# KiCad board hackrf-one.kicad_pcb (continued)
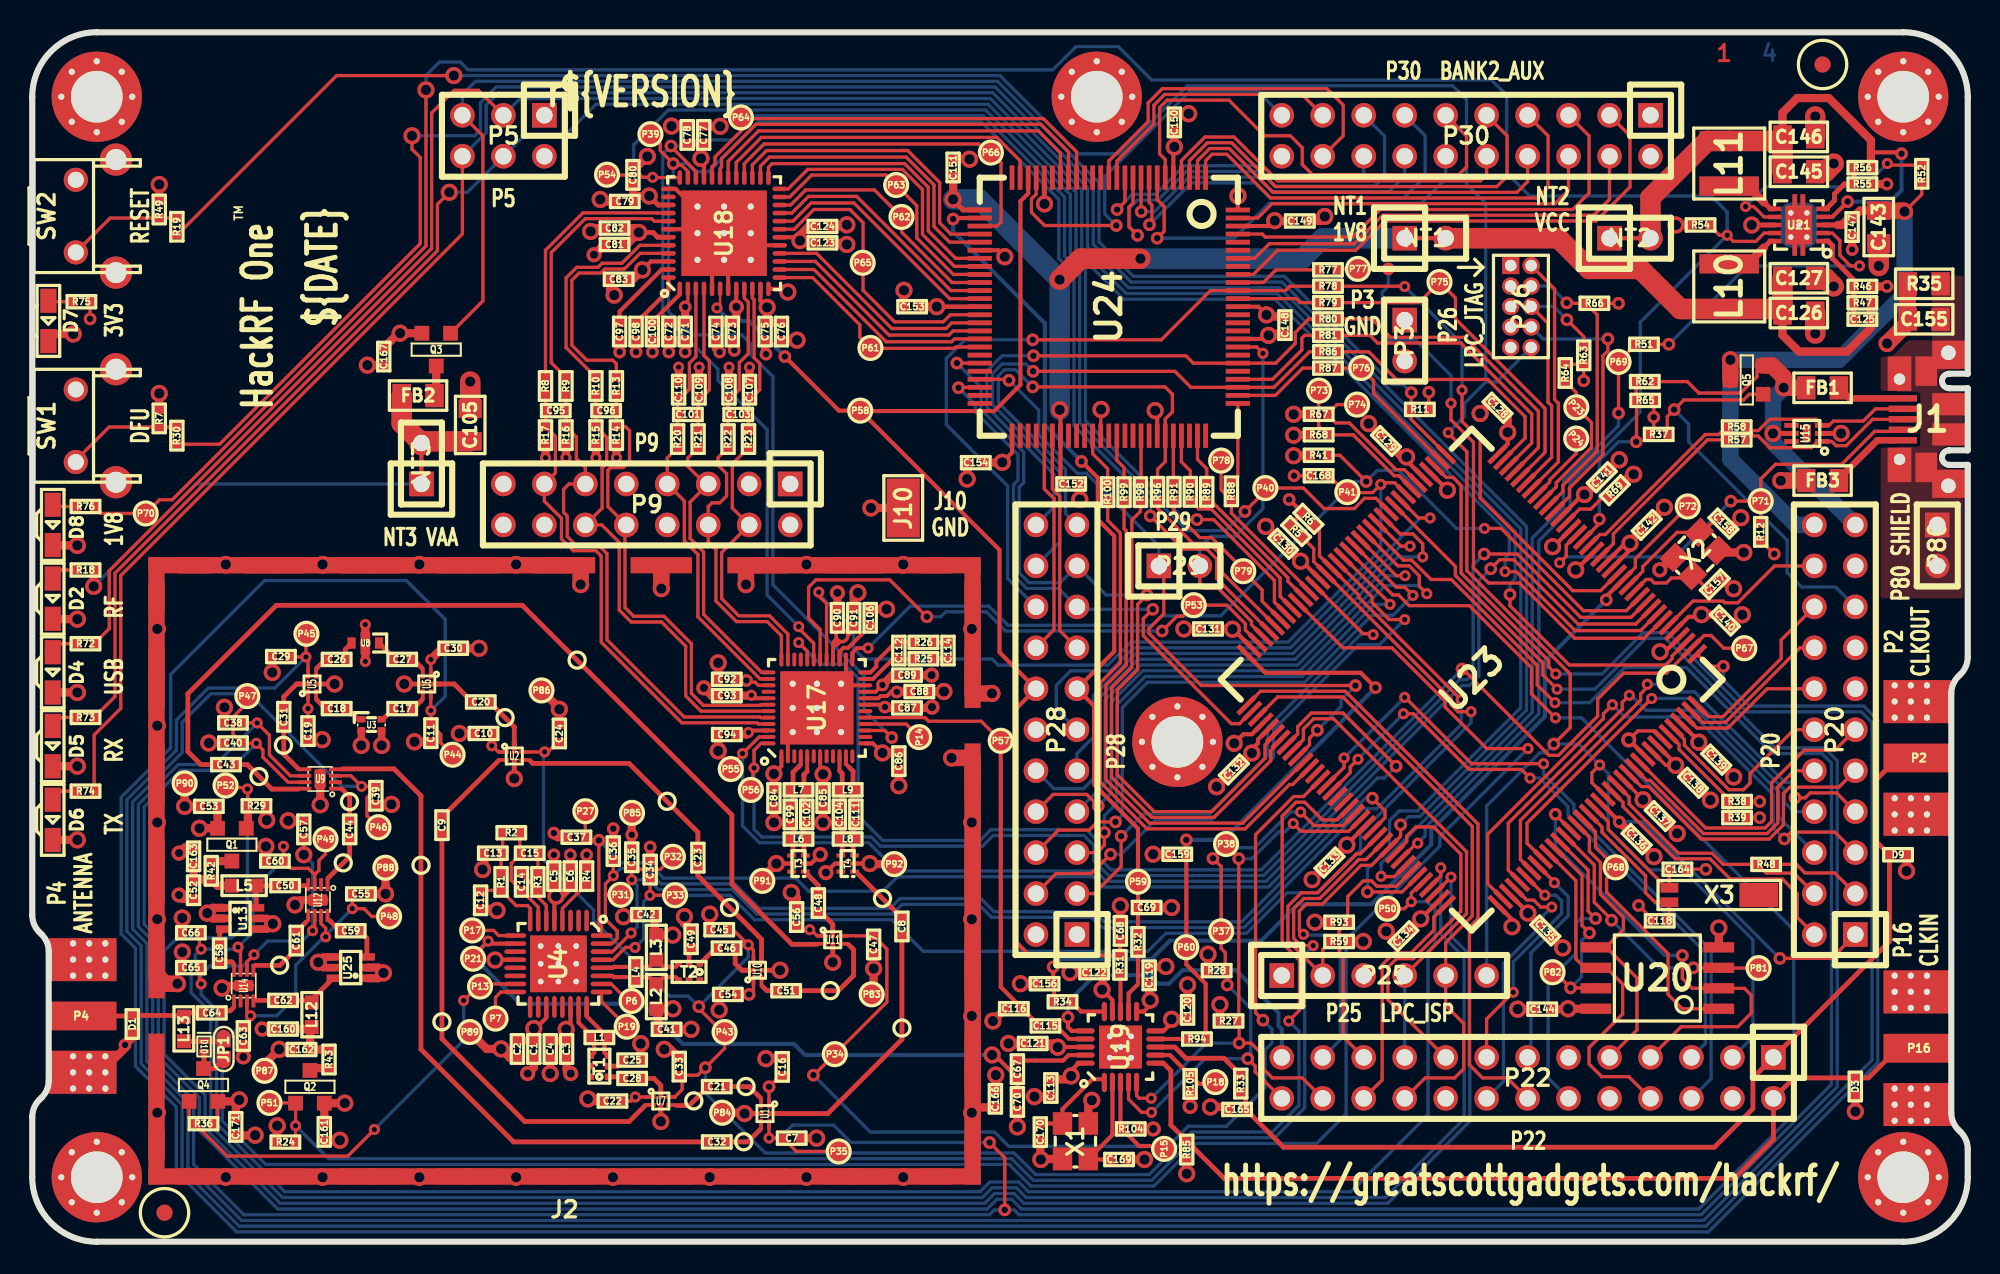
[diagram p0: board, top side]
## Routing (per net, layer and track width the routed paths; a pad name or vN(x,y) marks a point on that pad's centre or on a via; arc(x,y) is an arc through that point) (continued)
  C3 w0.508: v4(69.5,6.99) 63.37,0.86 30.48,0.86 28.75,2.59 28.75,9.83 31.1,12.17 v3(31.1,13.22) ; v3(56.08,57.98) 56.08,58.88 54.1,60.86 49.99,60.86 48.77,62.08 v3(47.6,62.08) ; 63.75,30.48 58.95,30.48 58.09,31.34 56.35,31.34 v2(53.6,34.09)
!MIX_BYPASS: length 227.3
  C1F w0.203: C38.2 v1(13.94,32.17) 14.7,31.41 14.7,30.19 16,28.9 16.96,28.9 ; v1(94.41,33.43) 93.31,34.53 93.31,35.74 87.98,41.07 86.72,41.07 85.52,42.27 85.02,42.27 U23.50 ; v2(59.35,6.15) 60.29,5.21 v2(60.29,1.98) ; 45.68,7.41 v1(45.68,6.43) 46.55,6.43 C7.2 47.37,5.6 P35.1
  C4B w0.203: v1(45.68,6.43) 46.33,6.43 47.14,7.23 49.68,7.23 50.76,6.15 v2(59.35,6.15) ; v1(13.94,32.17) 11.36,29.59 9.05,29.59 6.58,27.12 6.58,19.54 7.46,18.65 7.46,11.33 10,8.79 10,4.79 13.12,1.68 59.35,1.68 59.65,1.98 v2(60.29,1.98) 60.88,1.98 61.18,1.68 103.47,1.68 111.55,9.75 111.55,29.69 110.97,30.27 107.89,30.27 102.55,35.61 98.73,35.61 96.55,33.43 v1(94.41,33.43)
!RX_AMP_PWR: length 130.1
  C1F w0.203: v1(87.96,22.61) 87.96,22.61 U23.106 ; P52.1 12.11,28.16 13.25,28.16 v1(13.34,28.07) 13.37,28.05 R29.2
  C1F w0.508: R29.2 13.37,25.74 Q1.1
  C4B w0.203: v1(87.96,22.61) 87.96,18.95 89.13,17.78 89.13,7.47 84.04,2.39 61.47,2.39 60.87,2.99 59.66,2.99 59.06,2.39 15.37,2.39 10.71,7.04 10.71,9.09 8.17,11.63 8.17,18.03 8.99,18.85 12.37,18.85 13.34,19.82 v1(13.34,28.07)
!TX_AMP_PWR: length 90.7
  C1F w0.203: P51.1 16.31,8.61 Q2.1 v1(16.33,7.2) 16.33,6.28 R24.1 ; v1(79.41,18.36) 78.66,18.36 78.21,18.82 78.21,20.66 78.84,21.29 79.83,21.29 82.24,23.7 82.69,23.7 U23.97
  C4B w0.203: v1(16.33,7.2) 18.37,5.15 60.72,5.15 62.06,3.81 69.4,3.81 72.04,6.45 77.03,6.45 78.89,8.31 78.89,17.84 v1(79.41,18.36)
!VAA_ENABLE: length 90.2
  C1F w0.203: Q3.1 27.94,58.34 27.94,68.58 P5.5 ; v2(85.5,52.65) R11.2 85.5,50.98 U23.37
  C4B w0.203: P5.5 26.67,71.15 27.48,71.96 59.85,71.96 66.14,65.67 66.14,62 68.27,59.87 77.63,59.87 84.33,53.16 84.99,53.16 v2(85.5,52.65)
/baseband/CLK0: length 2.4
  C1F w0.254: R31.2 67.47,16.6 U19.13
/baseband/CLK1: length 4
  C1F w0.254: R32.2 68.55,15.98 67.97,15.39 U19.12
/baseband/CLK2: length 2
  C1F w0.254: R94.2 71.68,12.57 U19.9
/baseband/CLK3: length 6
  C1F w0.293: R33.2 73.89,11.38 71.53,11.38 70.83,12.07 U19.8
/baseband/CLK5: length 2.3
  C1F w0.254: C115.1 63.47,13.39 64.29,12.57 U19.17
/baseband/COM: length 4.8
  C1F w0.254: U18.47 39.02,60.29 36.42,57.69 C97.1
/baseband/CPOUT+: length 3.6
  C1F w0.241: 51.65,34.9 52.13,34.9 53.35,36.13 C112.2
  C1F w0.254: R25.1 54.69,36.13 C112.2
/baseband/CPOUT-: length 4
  C1F w0.241: U17.24 51.97,35.3 52.33,35.67 52.33,35.97 53.55,37.19 C112.1
  C1F w0.254: R26.1 53.75,37.17 C112.1
/baseband/IA+: length 9.4
  C1F w0.203: U18.3 41.15,54.89 40.74,54.48 40.74,52.86 40.18,52.3 C110.1 ; R20.1 40.01,51.2 C101.1 40.01,51.4 40.01,52.29
/baseband/IA-: length 9.3
  C1F w0.203: U18.4 41.65,54.95 41.98,54.62 41.98,52.84 41.45,52.3 C109.1 ; R21.1 41.28,51.2 C101.2 41.28,51.4 41.28,52.29
/baseband/ID+: length 14.8
  C1F w0.203: R13.1 36.22,54.44 35.99,54.66 34.38,54.66 33.45,55.59 33.45,59.62 33.9,60.07 35.25,60.07 35.49,60.32 36.71,60.32 37.68,61.29 U18.45
/baseband/ID-: length 14.1
  C1F w0.203: R10.1 33.1,55.45 33.1,59.77 33.76,60.43 35.08,60.43 35.33,60.68 36.56,60.68 37.68,61.79 U18.44
/baseband/INTR: length 6.2
  C1F w0.254: P15.1 70,5.94 68.63,5.94 R104.2 67.47,7.1 67.47,10.08
/baseband/OEB: length 4.5
  C1F w0.254: 73.18,9.79 72.32,9.79 R105.2 70.53,11.57 69.47,11.57
/baseband/QA+: length 9.4
  C1F w0.203: R23.1 44.41,51.2 C103.2 44.41,51.4 44.41,52.29 ; C107.1 44.57,52.3 45.11,52.84 45.11,54.46 44.75,54.81 44.75,58.42 44.65,58.53 U18.10
/baseband/QA-: length 9.5
  C1F w0.203: R22.1 43.14,51.2 C103.1 43.14,51.4 43.14,52.29 ; C108.1 43.3,52.3 43.84,52.84 43.84,54.51 44.39,55.07 44.39,58.27 44.15,58.52 U18.9
/baseband/QD+: length 16.5
  C1F w0.203: R8.1 31.82,61.48 34.14,63.8 38.69,63.8 38.7,63.79 U18.40
/baseband/QD-: length 16.3
  C1F w0.203: R9.1 32.18,54.51 32.18,61.34 34.28,63.44 38.41,63.44 38.56,63.29 U18.41
/baseband/REFN: length 3.6
  C1F w0.254: U18.48 39.45,58.99 C98.1
/baseband/REFP: length 2.8
  C1F w0.254: C100.1 38.45,57.05 40.14,58.75 40.14,59.09
/baseband/RXBBI+: length 17.5
  C1F w0.203: R20.2 39.37,48.6 P9.7 40.43,45.93 40.43,43.46 41.27,42.63 41.27,38.75 45.12,34.9 45.65,34.9
/baseband/RXBBI-: length 17.6
  C1F w0.203: R21.2 40.64,48.6 40.64,48.08 41.73,46.99 P9.5 40.79,45.87 40.79,43.61 41.63,42.77 41.63,38.9 45.22,35.3 U17.37
/baseband/RXBBQ+: length 17.4
  C1F w0.203: U17.36 46.45,37.57 45.57,38.46 43.66,38.46 42.39,39.73 42.39,42.92 41.91,43.4 P9.6 41.91,45.59 42.14,45.82 42.62,45.82 43.05,46.25 43.05,47.62 42.52,48.15 42.52,48.62 R22.2
/baseband/RXBBQ-: length 17.5
  C1F w0.203: R23.2 43.4,48.24 43.4,45.5 P9.4 42.74,42.74 42.74,39.88 43.81,38.81 45.71,38.81 46.85,37.68 U17.35
/baseband/TXBBI+: length 29.4
  C1F w0.203: R10.2 34.95,51.64 C96.1 34.95,51.44 R15.1 35.61,49.88 35.61,48.26 35.33,47.98 35.33,45.49 P9.12 35.31,44.45 36.39,43.36 36.39,39.17 37.13,38.43 39.01,38.43 40.51,36.93 40.51,33.85 41.46,32.9 U17.43
/baseband/TXBBI-: length 28.7
  C1F w0.203: R13.2 36.22,51.64 C96.2 36.22,51.44 R14.1 36.78,50.55 37.03,50.29 37.03,48.39 36.65,48.01 35.86,48.01 35.69,47.83 35.69,45.59 P9.10 36.75,44.37 36.75,39.32 37.28,38.79 39.16,38.79 40.87,37.08 40.87,34 41.61,33.26 45.14,33.26 45.18,33.3 45.65,33.3
/baseband/TXBBQ+: length 30.9
  C1F w0.203: 45.65,32.5 45.16,32.5 45.12,32.54 40.42,32.54 35.63,37.33 35.63,42.67 35.1,43.21 33.69,43.21 33.17,43.73 33.17,45.01 32.94,45.23 32.94,46.66 33.27,46.99 P9.11 34.29,48.02 33.73,48.58 33.73,49.91 R16.1 33.09,51.44 C95.2 33.09,51.64 R9.2
/baseband/TXBBQ-: length 30.7
  C1F w0.203: R8.2 31.82,51.64 C95.1 31.82,51.44 R17.1 32.44,49.93 32.44,47.68 P9.13 31.75,45.92 32.81,44.86 32.81,43.59 33.55,42.85 34.95,42.85 35.28,42.52 35.28,37.18 40.27,32.18 44.94,32.18 45.02,32.1 U17.45
/baseband/XA: length 5.6
  C1F w0.254: C170.2 63.87,7.33 X1.3 63.88,8.23 65.72,10.08 66.47,10.08
/baseband/XB: length 6.9
  C1F w0.254: 66.97,10.08 66.97,6.63 X1.1 65.51,5.1 C169.2
/baseband/XCVR_CLKOUT: length 3.7
  C1F w0.203: P14.1 54.18,32.1 U17.16
/baseband/XTAL2: length 27.6
  C1F w0.203: P57.1 58.83,32.28 55.57,32.28 55.34,32.5 51.65,32.5
  C1F w0.254: P57.1 60.05,15.8 C116.1 62.28,13.56 C115.2
/frontend/!ANT_BIAS: length 28.1
  C1F w0.203: v1(21.21,6.96) 19.56,5.31 12.1,5.31 R36.1 9.73,7.68 Q4.1 ; v1(26.75,14.96) 27.61,15.82 P13.1 27.92,15.99 U4.15
  C4B w0.203: v1(21.21,6.96) 26.75,12.5 v1(26.75,14.96)
/frontend/REF_IN: length 42
  C1F w0.203: v1(28.27,18.64) 27.33,17.7 P21.1
  C1F w0.254: v1(28.27,18.64) 28.42,18.49 U4.10 ; v3(59.51,11.58) 59.67,11.58 C67.2 C70.1
  C4B w0.254: v3(59.51,11.58) 47.9,11.58 47.22,12.27 40.34,12.27 37.85,14.76 30.25,14.76 27.81,17.2 27.81,18.19 v1(28.27,18.64)
/frontend/RX_AMP_IN: length 0.9
  C1F w0.293: 12.48,17.23 12.36,17.36 C58.1
/frontend/RX_AMP_OUT: length 0.8
  C1F w0.293: C50.2 17.03,22.08
/frontend/TX_AMP_IN: length 1
  C1F w0.293: C59.1 19.07,19.29 18.43,19.92
/frontend/TX_AMP_OUT: length 1.2
  C1F w0.293: C62.1 13.86,14.97
/mcu/usb/power/ADC0_0: length 10.7
  C1F w0.203: P20.20 108.03,41.91 105.74,39.62 104.95,39.62 104.85,39.73 102.96,39.73 U23.6
/mcu/usb/power/ADC0_2: length 9.8
  C1F w0.203: P20.16 109.6,36.83 104.97,32.21 103.56,32.21 U23.143
/mcu/usb/power/ADC0_3: length 6.7
  C1F w0.203: U23.139 102.1,30.84 102.1,30.53 105.17,27.46 R38.2 R39.1
/mcu/usb/power/ADC0_5: length 11.1
  C1F w0.203: P20.18 108.43,37.31 108.43,36.17 104.83,32.56 103.92,32.56 U23.144
/mcu/usb/power/ADC0_6: length 9.3
  C1F w0.203: P20.14 107.56,34.29 105.12,31.85 103.21,31.85 U23.142
/mcu/usb/power/B1AUX13: length 13.9
  C1F w0.203: P28.16 63.35,37.95 63.35,46.08 62.75,46.68 U24.55
/mcu/usb/power/B1AUX14: length 13.8
  C1F w0.203: U24.56 63.25,46.69 63.7,46.23 63.7,37.9 P28.15
/mcu/usb/power/B2AUX1: length 22.2
  C1F w0.203: P30.18 81.28,68.58 81.28,70.48 80.26,71.5 70.06,71.5 69.18,70.62 69.18,69.46 66.75,67.02 U24.13
/mcu/usb/power/B2AUX2: length 16.7
  C1F w0.203: P30.17 78.71,71.15 70.21,71.15 69.54,70.47 69.54,69.31 67.25,67.02 U24.12
/mcu/usb/power/B2AUX3: length 20.2
  C1F w0.203: v2(67.26,64.01) 67.75,64.5 U24.11
  C4B w0.203: v2(67.26,64.01) 68.2,64.95 69.64,64.95 71.41,66.73 76.26,66.73 77.18,65.81 82.17,65.81 82.55,66.19 P30.16
/mcu/usb/power/B2AUX4: length 27.5
  C1F w0.203: v2(68.53,62.41) 68,62.94 68,64.16 68.25,64.41 U24.10
  C4B w0.203: v2(68.53,62.41) 68.05,62.89 68.05,64.11 68.53,64.59 69.78,64.59 71.56,66.37 76.11,66.37 77.03,65.46 83.24,65.46 83.85,66.07 83.85,68.55 P30.15
/mcu/usb/power/B2AUX5: length 21.3
  C1F w0.203: v2(68.76,63.88) 68.74,63.89 U24.9
  C4B w0.203: v2(68.76,63.88) 69.58,63.88 71.71,66.01 75.97,66.01 76.88,65.1 84.1,65.1 85.09,66.09 P30.14
/mcu/usb/power/B2AUX6: length 26.5
  C1F w0.203: v2(69.27,63.07) 69.42,63.22 69.42,64.29 69.25,64.46 U24.8
  C4B w0.203: v2(69.27,63.07) 71.86,65.66 75.82,65.66 76.73,64.74 85.04,64.74 86.36,66.07 86.36,68.58 P30.13
/mcu/usb/power/B2AUX7: length 24.9
  C1F w0.203: v2(69.75,62.23) 70.18,62.66 70.18,64.19 69.75,64.62 U24.7
  C4B w0.203: v2(69.75,62.23) 74.52,62.23 76.68,64.39 86.11,64.39 87.63,65.91 P30.12
/mcu/usb/power/B2AUX8: length 30.2
  C1F w0.203: P30.11 88.93,68.55 88.93,66.65 88.42,66.14 79.4,66.14 78.74,66.8 78.74,67.84 78,68.58 76.4,68.58 74.19,70.79 70.36,70.79 69.9,70.33 69.9,67.46 70.25,67.11 U24.6
/mcu/usb/power/B2AUX9: length 23
  C1F w0.203: P30.10 90.17,66.17 89.79,65.79 77.23,65.79 74.51,68.5 72.71,68.5 71.25,67.04 U24.4
/mcu/usb/power/B2AUX10: length 26.9
  C1F w0.203: P30.9 91.44,68.58 91.44,66.07 90.81,65.43 77.08,65.43 74.36,68.15 72.86,68.15 71.75,67.04 U24.3
/mcu/usb/power/B2AUX11: length 24.8
  C1F w0.203: P30.8 92.71,65.74 92.05,65.07 76.93,65.07 74.21,67.79 73,67.79 72.25,67.03 U24.2
/mcu/usb/power/B2AUX12: length 28.8
  C1F w0.203: P30.7 93.98,68.58 93.98,65.38 93.32,64.72 76.78,64.72 74.07,67.44 73.15,67.44 72.75,67.03 U24.1
/mcu/usb/power/B2AUX13: length 23.3
  C1F w0.203: P30.6 95.25,65.2 94.41,64.36 76.86,64.36 75.98,63.48 U24.99
/mcu/usb/power/B2AUX14: length 28.3
  C1F w0.203: P30.5 96.52,68.58 96.52,65.02 95.5,64.01 83.58,64.01 81.87,62.3 76.45,62.3 76.27,62.48 U24.97
/mcu/usb/power/B2AUX15: length 27.2
  C1F w0.203: P30.4 97.79,64.64 96.8,63.65 83.72,63.65 81.96,61.89 76.7,61.89 75.8,60.98 U24.94
/mcu/usb/power/B2AUX16: length 31.5
  C1F w0.203: P30.3 99.06,68.58 99.06,65.41 96.95,63.3 83.87,63.3 82.05,61.48 77.2,61.48 75.7,59.98 U24.92
/mcu/usb/power/BANK2F3M1: length 5.4
  C1F w0.203: R77.2 77.11,60.27 76.32,59.48 U24.91
/mcu/usb/power/BANK2F3M2: length 42.7
  C1F w0.203: v2(62.03,55.93) 70,55.93 73.05,58.98 U24.90 77.7,58.98 77.97,59.25 R78.2
  C4B w0.203: v2(62.03,55.93) 57.84,55.93 56.67,54.76 56.67,50.67 60.48,46.86 60.48,41.12 P28.18
/mcu/usb/power/BANK2F3M3: length 5.2
  C1F w0.203: U24.89 78.36,58.48 78.61,58.24 R79.2
/mcu/usb/power/BANK2F3M4: length 34.5
  C1F w0.203: v2(62.08,54.94) 71.53,54.94 71.98,54.48 U24.81 77.09,54.48 78.3,55.7 78.3,56.38 79.14,57.22 R80.2
  C4B w0.203: v2(62.08,54.94) 60.13,54.94 59.18,53.99 59.18,51.76 63.35,47.59 63.35,45.57 P28.22
/mcu/usb/power/BANK2F3M5: length 6.6
  C1F w0.203: U24.79 76.9,53.48 78.71,55.29 78.71,56.03 78.89,56.2 R81.2
/mcu/usb/power/BANK2F3M6: length 36.3
  C1F w0.203: v2(62.05,53.97) 70.84,53.97 71.83,52.98 U24.78 76.98,52.98 79.19,55.19 R86.2
  C4B w0.203: v2(62.05,53.97) 61.59,54.43 60.13,54.43 59.54,53.84 59.54,51.9 63.7,47.74 63.7,43.38 P28.20
/mcu/usb/power/BANK2F3M7: length 5.8
  C1F w0.203: U24.77 77.07,52.48 78.76,54.17 R87.2
/mcu/usb/power/BANK2F3M8: length 5.1
  C1F w0.203: R88.2 74.75,47.47 U24.76
/mcu/usb/power/BANK2F3M9: length 3.2
  C1F w0.203: U24.74 72.25,48.51 72.82,47.94 R89.2
/mcu/usb/power/BANK2F3M10: length 3.2
  C1F w0.203: U24.72 71.25,48.36 71.8,47.81 R90.2
/mcu/usb/power/BANK2F3M11: length 3
  C1F w0.203: R91.2 70.75,47.07 U24.71
/mcu/usb/power/BANK2F3M12: length 28.7
  C1F w0.203: R96.2 69.77,47.9 70.25,48.38 U24.70 70.25,51.02 70.69,51.46 70.69,52.55 70.23,53.01 v2(62.03,53.01)
  C4B w0.203: v2(62.03,53.01) 60.96,54.08 60.27,54.08 59.89,53.7 59.89,52.05 64.06,47.88 64.06,45.16 P28.21
/mcu/usb/power/BANK2F3M14: length 3
  C1F w0.203: R98.2 68.74,47.05 U24.67
/mcu/usb/power/BANK2F3M15: length 3.1
  C1F w0.203: R99.2 67.69,48.01 67.25,48.45 U24.64
/mcu/usb/power/BANK2F3M16: length 3.4
  C1F w0.203: R100.2 66.67,47.93 65.75,48.86 U24.61
/mcu/usb/power/CPLD_TCK: length 35.3
  C1F w0.203: v2(57.43,52.96) 57.45,52.98 U24.48 ; v2(69.47,39.22) 68.88,38.63 68.88,37.58 74.34,32.12 74.85,32.12 U23.74
  C4B w0.203: v2(57.43,52.96) 58.47,51.92 58.47,51.46 61.11,48.82 61.11,47.22 60.83,46.94 60.83,41.33 61.65,40.51 63.63,40.51 P28.17 64.92,39.22 v2(69.47,39.22)
/mcu/usb/power/CPLD_TDI: length 50.8
  C1F w0.203: U23.78 77.05,31.43 76.43,30.81 76.43,29.97 73.13,26.67 69.56,26.67 67.28,28.95 67.28,34.21 68.53,35.46 68.53,39.52 v2(69.11,40.11) ; v2(57.33,54.48) 57.33,54.48 U24.45
  C4B w0.203: v2(57.33,54.48) 58.83,52.98 58.83,51.61 61.47,48.97 61.47,47.07 61.19,46.79 61.19,41.48 61.8,40.87 63.73,40.87 P28.19 66.57,40.11 v2(69.11,40.11)
/mcu/usb/power/CPLD_TDO: length 23.9
  C1F w0.203: v1(76.3,55.09) 75.91,55.48 U24.83 ; P29.2 72.39,40.84 72.69,40.54 73.52,40.54 75.59,38.47 75.59,38.26 U23.69
  C4B w0.203: P29.2 72.39,43.08 73.05,43.74 74.57,43.74 76.3,45.47 v1(76.3,55.09)
/mcu/usb/power/CPLD_TMS: length 42.2
  C1F w0.203: v2(82.04,34.49) 82.03,34.49 72.48,34.49 69.24,37.73 69.24,38.02 70.15,38.94 70.15,41.61 P29.1 ; v2(79.67,31.72) 79.19,31.24 79.19,30.81 U23.82 ; v2(60.55,53.42) 60.49,53.48 U24.47
  C4B w0.203: v2(82.04,34.49) 81.15,33.6 81.15,33.19 v2(79.67,31.72) ; v2(60.55,53.42) 62.4,51.57 62.4,50.04 64.8,47.65 65.35,47.65 69.85,43.15 P29.1
/mcu/usb/power/DBGEN: length 9.3
  C1F w0.203: R64.1 95.73,52.65 P23.1 96.67,50.8 96.67,49.25 94.49,47.07 94.49,46.81 U23.28
/mcu/usb/power/DM: length 11.7
  C1F w0.203: U23.20 97.19,43.85 97.52,43.85 103.72,50.06 104.56,50.06 105.03,50.53 R58.1
/mcu/usb/power/DP: length 11.3
  C1F w0.203: R57.1 103.86,49.72 98.03,43.89 98.03,43.28 U23.18
/mcu/usb/power/EN1V8: length 180.4
  C1F w0.203: v1(85.9,24.71) 85.82,24.71 U23.100 ; v3(24.41,71.42) 24.41,61.74 8.68,46.01 7.88,46.01 P70.1 4.27,45.16 R76.2 ; 108.03,62.55 107.38,62.55 106.86,62.03 105.47,62.03 v1(105.09,62.41) 104.6,62.41 R54.2
  C4B w0.203: v1(85.9,24.71) 86.36,25.17 86.36,25.68 93.41,32.73 93.41,43.46 95.35,45.41 95.35,47.11 99.69,51.46 99.69,57.02 v1(105.09,62.41) 105.09,63.85 104.09,64.85 92.84,64.85 91.41,66.27 91.41,71.09 90.47,72.04 69.4,72.04 67.33,74.11 64.71,74.11 63.27,72.67 27.03,72.67 26.54,73.15 25.25,73.15 24.41,72.31 v3(24.41,71.42)
/mcu/usb/power/GCK0: length 25
  C1F w0.203: v2(67.21,63.02) 62.76,63.02 61.95,63.83 61.95,64.67 62.25,64.96 U24.22
  C4B w0.203: v2(67.21,63.02) 66.49,63.73 66.49,66.06 71.76,71.33 75.99,71.33 P30.19
/mcu/usb/power/GP_CLKIN: length 56.3
  C1F w0.203: P72.1 99.39,42.34 99.39,41.82 U23.14
  C1F w0.254: v2(97.59,39.8) 97.59,40.01 U23.14 ; v2(63.3,17.04) C156.1 63.35,15.95 63.35,14.88
  C4B w0.254: v2(63.3,17.04) 63.78,17.53 69.39,17.53 70.54,18.67 76.2,18.67 78.46,20.93 83.03,20.93 86.74,24.64 86.74,25.53 93.79,32.57 93.79,36 v2(97.59,39.8)
/mcu/usb/power/GPIO3_8: length 36.1
  C1F w0.203: v1(97.97,33.3) 97.41,32.74 97.41,32.44 90.24,25.27 90.24,22.2 U23.110 ; v2(108.63,24.98) 109.05,25.4 111.76,25.4 P20.5
  C4B w0.203: v1(97.97,33.3) 98.73,32.54 103.11,32.54 107.94,27.71 107.94,25.67 v2(108.63,24.98)
/mcu/usb/power/GPIO3_9: length 31.4
  C1F w0.203: U23.113 91.51,23.05 91.51,25.96 98.58,33.03 98.58,33.44 v1(99.02,33.89)
  C4B w0.203: v1(99.02,33.89) 99.13,33.89 100.06,32.95 103.2,32.95 108.28,27.87 108.28,26.34 P20.6
/mcu/usb/power/GPIO3_10: length 31.9
  C1F w0.203: v2(109.29,27.53) 109.93,27.53 110.23,27.83 111.87,27.83 P20.7 ; v1(100.13,34.57) 100.13,34.39 99.72,33.98 99.72,33.59 92.27,26.13 92.27,23.71 U23.115
  C4B w0.203: v2(109.29,27.53) 109.29,28.19 108.99,28.49 108.67,28.49 103.06,34.1 101.17,34.1 100.71,34.57 v1(100.13,34.57)
/mcu/usb/power/GPIO3_11: length 27
  C1F w0.203: v1(100.4,33.69) 92.68,25.97 92.68,24.71 U23.117
  C4B w0.203: v1(100.4,33.69) 102.97,33.69 108.64,28.02 108.64,27.25 109.22,26.67 P20.8
/mcu/usb/power/GPIO3_12: length 18.6
  C1F w0.203: P20.9 112.01,28.19 108.97,28.19 108.57,27.79 108.57,25.85 107.69,24.97 103.48,24.97 100.23,28.22 99.77,28.22 U23.132
/mcu/usb/power/GPIO3_13: length 15.8
  C1F w0.203: U23.133 100.1,28.61 100.31,28.61 103.61,25.31 107.56,25.31 108.22,25.97 108.22,28.19 109.24,29.21 P20.10
/mcu/usb/power/GPIO3_14: length 19
  C1F w0.203: P20.11 111.76,30.48 109.86,30.48 107.84,28.46 107.84,26.06 107.44,25.66 103.75,25.66 U23.134
/mcu/usb/power/GPIO3_15: length 12.4
  C1F w0.203: U23.140 101.8,31.78 102.43,31.15 102.43,30.79 105.19,28.03 106.09,28.03 106.5,28.44 106.5,29.03 109.22,31.75 P20.12
/mcu/usb/power/I2C1_SCL: length 38.6
  C1F w0.203: v1(85.01,32.74) 85.63,32.74 89.08,29.29 92.33,29.29 v1(92.86,28.75) ; v1(82.19,29.92) 81.71,29.44 81.71,29.09 U23.88
  C4B w0.203: v1(92.86,28.75) 93.45,28.75 95.22,26.97 95.22,26.44 103.73,17.93 103.73,12.29 P22.5 ; v1(85.01,32.74) v1(82.19,29.92)
/mcu/usb/power/I2C1_SDA: length 43.3
  C1F w0.203: v1(81.33,30) 81.33,29.41 U23.87 ; v1(93.7,29.64) 89.23,29.64 85.12,33.76 v1(85.09,33.76)
  C4B w0.203: v1(93.7,29.64) 93.7,29 95.58,27.12 95.58,26.59 104.09,18.08 104.09,10.11 P22.6 ; v1(81.33,30) v1(85.09,33.76)
/mcu/usb/power/I2S0_RX_MCLK: length 37.7
  C1F w0.203: P22.14 91.44,10.16 89.92,10.16 89.1,10.97 89.1,19.52 89.64,20.05 89.64,25.9 81.4,34.14 76.15,34.14 U23.73
/mcu/usb/power/I2S0_RX_SCK: length 19.1
  C1F w0.203: v2(96.93,20.04) 96.46,20.5 96.46,23.04 U23.120
  C4B w0.203: P22.12 93.98,10.16 93.98,16.15 95.7,17.88 95.7,19.73 96.01,20.04 v2(96.93,20.04)
/mcu/usb/power/I2S0_RX_SDA: length 13.8
  C1F w0.203: v1(94.37,22.27) 94.37,22.31 U23.116
  C4B w0.203: P22.13 92.91,11.63 92.91,17.9 95.23,20.22 95.23,21.4 v1(94.37,22.27)
/mcu/usb/power/I2S0_RX_WS: length 14.5
  C1F w0.203: v1(91.82,15.47) 90.17,13.82 P22.15 ; v1(93.78,21.49) 93.77,21.49 U23.114
  C4B w0.203: v1(91.82,15.47) 91.82,17.35 94.82,20.35 94.82,21.14 94.46,21.49 v1(93.78,21.49)
/mcu/usb/power/I2S0_TX_MCLK: length 22.2
  C1F w0.203: P22.17 84.05,15.01 84.05,17.02 84.58,17.55 85.63,17.55 88.57,20.49 88.57,24.03 86.88,25.72 85.79,25.72 85.22,25.15 85.22,24.82 U23.99
/mcu/usb/power/I2S0_TX_SCK: length 16.3
  C1F w0.203: v1(94.21,20.75) 93.52,20.75 93.09,21.18 92.67,21.18 U23.112
  C4B w0.203: P22.16 91.21,9.93 91.21,17.25 93.66,19.7 93.66,20.21 v1(94.21,20.75)
/mcu/usb/power/ISP: length 14.9
  C1F w0.203: R59.2 80.01,18.14 P25.2 77.85,18.67 77.85,20.8 78.69,21.64 79.68,21.64 82.09,24.05 82.34,24.05 U23.96
/mcu/usb/power/LED1: length 141.5
  C1F w0.203: v2(91.62,40.13) 91.62,39.44 95.29,35.76 101.27,35.76 101.68,36.17 101.68,36.32 U23.3 ; P5.3 27.66,71.4 26.16,71.4 24.77,70 24.77,61.59 4.78,41.61 4.78,38.02 R72.2
  C4B w0.203: v2(91.62,40.13) 91.62,40.81 91.93,41.12 91.93,44.05 77.19,58.8 67.82,58.8 65.07,61.56 65.07,65.23 59.4,70.89 30.25,70.89 P5.3
/mcu/usb/power/LED2: length 136.7
  C1F w0.203: v3(25.86,65.07) 25.12,64.34 25.12,61.45 5.13,41.46 5.13,33.81 R73.2 ; v1(91.31,41.55) 92,41.55 95.66,37.9 99.71,37.9 U23.8
  C4B w0.203: v1(91.31,41.55) 91.31,42.38 91.58,42.65 91.58,43.91 77.04,58.45 67.68,58.45 64.71,61.41 64.71,65.08 59.26,70.54 34.95,70.54 32.99,68.58 30.48,68.58 P5.4 26.97,65.07 v3(25.86,65.07)
/mcu/usb/power/LED3: length 161
  C1F w0.203: v2(82.78,21.69) 84.92,21.69 U23.103 ; P5.6 26.67,62.49 5.49,41.31 5.49,33.07 3.84,31.42 R74.2
  C4B w0.203: v2(82.78,21.69) 82.78,23.11 84.15,24.48 84.15,26.11 84.76,26.72 85.89,26.72 92.29,33.12 92.29,44.2 77.33,59.16 67.97,59.16 65.43,61.7 65.43,65.37 59.55,71.25 28.91,71.25 28.14,70.48 28.14,68.78 P5.6
/mcu/usb/power/P1_1: length 9.5
  C1F w0.203: P74.1 80.89,51.91 R67.1 80.82,50.77 81.66,50.77 84.56,47.88 85.06,47.88 U23.42
/mcu/usb/power/P1_2: length 9.6
  C1F w0.203: P73.1 79.76,52.76 79.76,50.57 R68.1 81.89,50.04 84.43,47.5 84.74,47.5 U23.43
/mcu/usb/power/P2_8: length 154.4
  C1F w0.203: v2(84.84,25.86) 84.84,25.14 U23.98 83.04,23.34 82.39,23.34 79.97,20.93 78.98,20.93 78.56,20.51 78.56,19.32 v1(78.82,19.06) ; v3(23.55,68.58) 23.55,67.74 24.05,67.23 24.05,61.89 11.62,49.45 R30.1
  C4B w0.203: v2(84.84,25.86) 85.34,26.36 86.03,26.36 92.64,32.97 92.64,44.35 77.48,59.51 68.12,59.51 65.78,61.85 65.78,65.52 59.7,71.6 28.76,71.6 27.79,70.63 27.79,68.93 27.44,68.58 v3(23.55,68.58) ; P22.23 81.1,12.52 81.1,18.22 80.31,19.01 78.87,19.01 v1(78.82,19.06)
/mcu/usb/power/P2_9: length 15.7
  C1F w0.203: P22.21 81.28,12.7 81.28,17.6 81.03,17.86 81.03,19.28 R93.1 81.56,21.41 82.52,22.38 83.03,22.38 83.36,22.05 84.57,22.05 U23.102
/mcu/usb/power/P2_13: length 14.7
  C1F w0.203: P22.22 83.69,10.03 83.69,17.17 84.43,17.91 85.48,17.91 86.89,19.32 86.89,20.13 U23.108
/mcu/usb/power/REG_OUT1: length 34.3
  C1F w0.254: v2(115.9,67.47) 115.81,67.55 114,67.55 ; 111.03,63.55 111.61,63.55 v2(112.55,64.5)
  C1F w0.508: R56.1 114,68.31 111.38,70.92 109.43,70.92 108.51,70.01 C146.2
  C1F w1.27: NT2.2 100.33,64.74 103.84,68.26 L11.1 108.26,68.26 C146.2 C145.2
  C4B w0.254: v2(115.9,67.47) 115.9,65.2 115.19,64.5 v2(112.55,64.5)
/mcu/usb/power/REG_OUT2: length 34.4
  C1F w0.508: R47.1 C125.1 114,56.67 112.53,55.2 109.53,55.2 108.51,56.22 C126.1
  C1F w1.27: NT1.2 94.62,62.23 96.52,60.33 99.69,60.33 102.18,57.84 L10.2 108.26,57.84 C126.1 C127.1
/mcu/usb/power/RESET: length 182.8
  C1F w0.203: v1(97.18,29.57) 96.7,29.08 96.7,28.47 U23.128 ; v2(94.34,30.86) 95.35,31.88 95.35,35.2 88.94,41.61 88.94,48.99 87.79,50.14 v1(87.79,50.18) ; v3(26.14,72.31) 18.87,72.31 R19.1
  C4B w0.203: 90.12,53.31 90.79,53.31 P26.10 ; 90.12,53.31 88.8,51.99 88.8,51.18 v1(87.79,50.18) ; 90.12,53.31 90.12,64.39 88.93,65.58 88.93,70.82 88.06,71.68 71.61,71.68 67.39,67.46 64.85,67.46 59.99,72.31 v3(26.14,72.31) ; P25.6 90.17,27.03 93.47,30.32 93.8,30.32 v2(94.34,30.86) 95.88,30.86 v1(97.18,29.57) 97.71,29.03 97.71,25.58 100.23,23.06 102.34,23.06 106.68,18.72 106.68,12.7 P22.3
/mcu/usb/power/RREF: length 3.3
  C1F w0.203: R69.1 97.43,46.22 96.64,45.43 95.94,45.43 U23.24
/mcu/usb/power/RTC_ALARM: length 17.3
  C1F w0.203: P20.2 109.42,20.12 109.42,21.58 108.51,22.49 105.28,22.49 104.02,23.75 101.86,23.75 98.62,26.99 98.62,27.25 U23.129
/mcu/usb/power/RTCX1: length 9.3
  C1F w0.203: C118.1 101.5,19.97 X3.2 100.62,21.05 100.03,21.64 100.03,22.69 97.33,25.39 97.33,25.72 U23.125
/mcu/usb/power/RTCX2: length 8.1
  C1F w0.203: C164.1 101.5,23.07 X3.1 101.32,21.95 97.71,25.55 97.71,26.04 U23.126
/mcu/usb/power/SD_CD: length 32.1
  C1F w0.203: v1(83.13,37.64) 83.07,37.71 82.5,37.71 U23.60 ; P28.3 65.84,21.59 67.51,23.27 v2(67.51,25.15)
  C4B w0.203: v1(83.13,37.64) 83.07,37.71 82.41,37.71 76.6,31.9 76.6,30.17 72.97,26.54 68.9,26.54 v2(67.51,25.15)
/mcu/usb/power/SD_CLK: length 33.1
  C1F w0.203: v1(86.66,44.88) 85.94,44.88 U23.45
  C4B w0.203: v1(86.66,44.88) 86.06,44.88 78.01,36.83 68.27,36.83 66.84,35.4 64.38,35.4 63.49,34.51 63.49,33.03 P28.11
/mcu/usb/power/SD_CMD: length 31.1
  C1F w0.203: v1(85.42,43.13) 84.86,43.13 U23.49
  C4B w0.203: v1(85.42,43.13) 84.81,43.13 78.16,36.47 68.41,36.47 65.81,33.87 65.81,31.31 64.77,30.28 P28.9
/mcu/usb/power/SD_DAT0: length 33.1
  C1F w0.203: v1(85.12,41.3) 84.57,41.3 U23.52
  C4B w0.203: v1(85.12,41.3) 83.99,41.3 78.45,35.76 68.71,35.76 66.52,33.57 66.52,28.42 P28.7
/mcu/usb/power/SD_DAT1: length 38.8
  C1F w0.203: v2(67.16,26.03) 66.04,26.03 65.53,25.53 63.63,25.53 P28.6 ; v1(85.6,40.08) 85.09,40.59 84.57,40.59 U23.53
  C4B w0.203: v1(85.6,40.08) 84.36,38.84 83.04,38.84 78.89,34.7 69.15,34.7 67.58,33.13 67.58,26.46 v2(67.16,26.03)
/mcu/usb/power/SD_DAT2: length 34.6
  C1F w0.203: v2(66.47,25.37) 66.47,24.59 66.01,24.13 P28.5 ; v1(84.18,39.53) 84.18,39.57 U23.55
  C4B w0.203: v2(66.47,25.37) 66.47,26.42 67.23,27.17 67.23,33.28 69,35.05 78.75,35.05 83.22,39.53 v1(84.18,39.53)
/mcu/usb/power/SD_DAT3: length 36.7
  C1F w0.203: P28.4 63.47,22.83 65.66,22.83 v2(66.85,24.03) ; v1(85.09,38.58) 84.12,38.58 83.07,39.63 83.07,39.97 U23.56
  C4B w0.203: v1(85.09,38.58) 83.54,37.03 82.23,37.03 76.96,31.75 76.96,30.02 73.12,26.18 69.67,26.18 67.51,24.03 v2(66.85,24.03)
/mcu/usb/power/SD_POW: length 37.1
  C1F w0.203: v1(86.21,42.47) 86.21,43.28 85.6,43.89 84.81,43.89 U23.48
  C4B w0.203: v1(86.21,42.47) 84.66,42.47 78.31,36.12 68.56,36.12 66.16,33.72 66.16,29.08 65.18,28.09 63.35,28.09 P28.10
/mcu/usb/power/SD_VOLT0: length 39.8
  C1F w0.203: v2(66.09,27.03) 65.38,27.74 63.3,27.74 P28.8 ; v1(86.46,40.18) 85.99,40.65 85.99,41.29 85.37,41.91 84.66,41.91 U23.51
  C4B w0.203: v1(86.46,40.18) 85.95,40.69 83.88,40.69 78.6,35.41 68.86,35.41 66.87,33.43 66.87,27.81 v2(66.09,27.03)
/mcu/usb/power/SGPIO0: length 22.4
  C1F w0.203: U23.32 93.79,48.94 93.79,51.67 88.24,57.22 88.24,58.52 P75.1 85.97,58.24 R79.1
/mcu/usb/power/SGPIO1: length 17.9
  C1F w0.203: R81.1 82.94,56.2 83.41,55.73 88.57,55.73 92.97,51.33 92.97,49.53 U23.34
/mcu/usb/power/SGPIO2: length 8.6
  C1F w0.203: R89.1 72.99,45.8 73.23,45.8 77.85,41.18 77.85,40.95 U23.62
/mcu/usb/power/SGPIO3: length 9.7
  C1F w0.203: U23.64 77.37,40.02 77.37,41.16 73.09,45.44 72.33,45.44 R90.1
/mcu/usb/power/SGPIO4: length 31.8
  C1F w0.203: U23.79 77.4,31.07 76.78,30.45 76.78,29.82 73.27,26.31 69.41,26.31 66.92,28.8 66.92,34.36 68.17,35.61 68.17,44.75 68.71,45.29 R98.1
/mcu/usb/power/SGPIO5: length 32.8
  C1F w0.203: U23.83 75.05,25.96 69.27,25.96 66.57,28.66 66.57,34.51 67.82,35.76 67.82,44.09 67.69,44.22 R99.1
/mcu/usb/power/SGPIO6: length 34
  C1F w0.203: R100.1 66.67,44.73 67.46,43.94 67.46,35.9 66.21,34.65 66.21,28.51 69.12,25.6 75.2,25.6 77.95,28.35 78.15,28.35 U23.84
/mcu/usb/power/SGPIO7: length 9.3
  C1F w0.203: U23.38 83.16,52.61 83.16,53.42 P76.1 80.87,54.18 R87.1
/mcu/usb/power/SGPIO9: length 39.2
  C1F w0.203: v1(87.96,51.99) 87.96,50.97 89.36,49.58 89.36,41.78 90.3,40.84 92.21,40.84 95.63,37.42 99.93,37.42 100.38,37.87 100.4,37.87 U23.7 ; R77.1 80.93,60.33 P77.1 v2(84.07,60.33)
  C4B w0.203: v2(84.07,60.33) 84.07,59.26 83.69,58.88 83.69,56.39 84.18,55.91 85.78,55.91 87.96,53.72 v1(87.96,51.99)
/mcu/usb/power/SGPIO10: length 10.4
  C1F w0.203: U23.61 79.17,40.36 74.35,45.19 R88.1 73.71,46.63 P78.1
/mcu/usb/power/SGPIO11: length 10.6
  C1F w0.203: U23.66 76.25,39.72 76.25,40.41 P79.1 75.08,41.7 73.12,43.66 72.39,43.66 70.78,45.27 R91.1
/mcu/usb/power/SGPIO12: length 11.4
  C1F w0.203: R96.1 69.77,45.49 71.96,43.31 72.97,43.31 73.79,42.49 73.79,41.48 U23.67
/mcu/usb/power/SGPIO13: length 30.6
  C1F w0.203: v1(85.09,59.23) 85.07,59.25 R78.1 ; v1(88.65,52.81) 88.65,50.87 89.77,49.74 89.77,46.12 95.52,40.37 97.24,40.37 U23.15
  C4B w0.203: v1(88.65,52.81) 88.65,55.68 v1(85.09,59.23)
